# Allegro board RK3588S_Template_LP4XD556P164SD10H2_33X33_2133MHz_H1R0_V10_20220315YWQ.brd (continued)
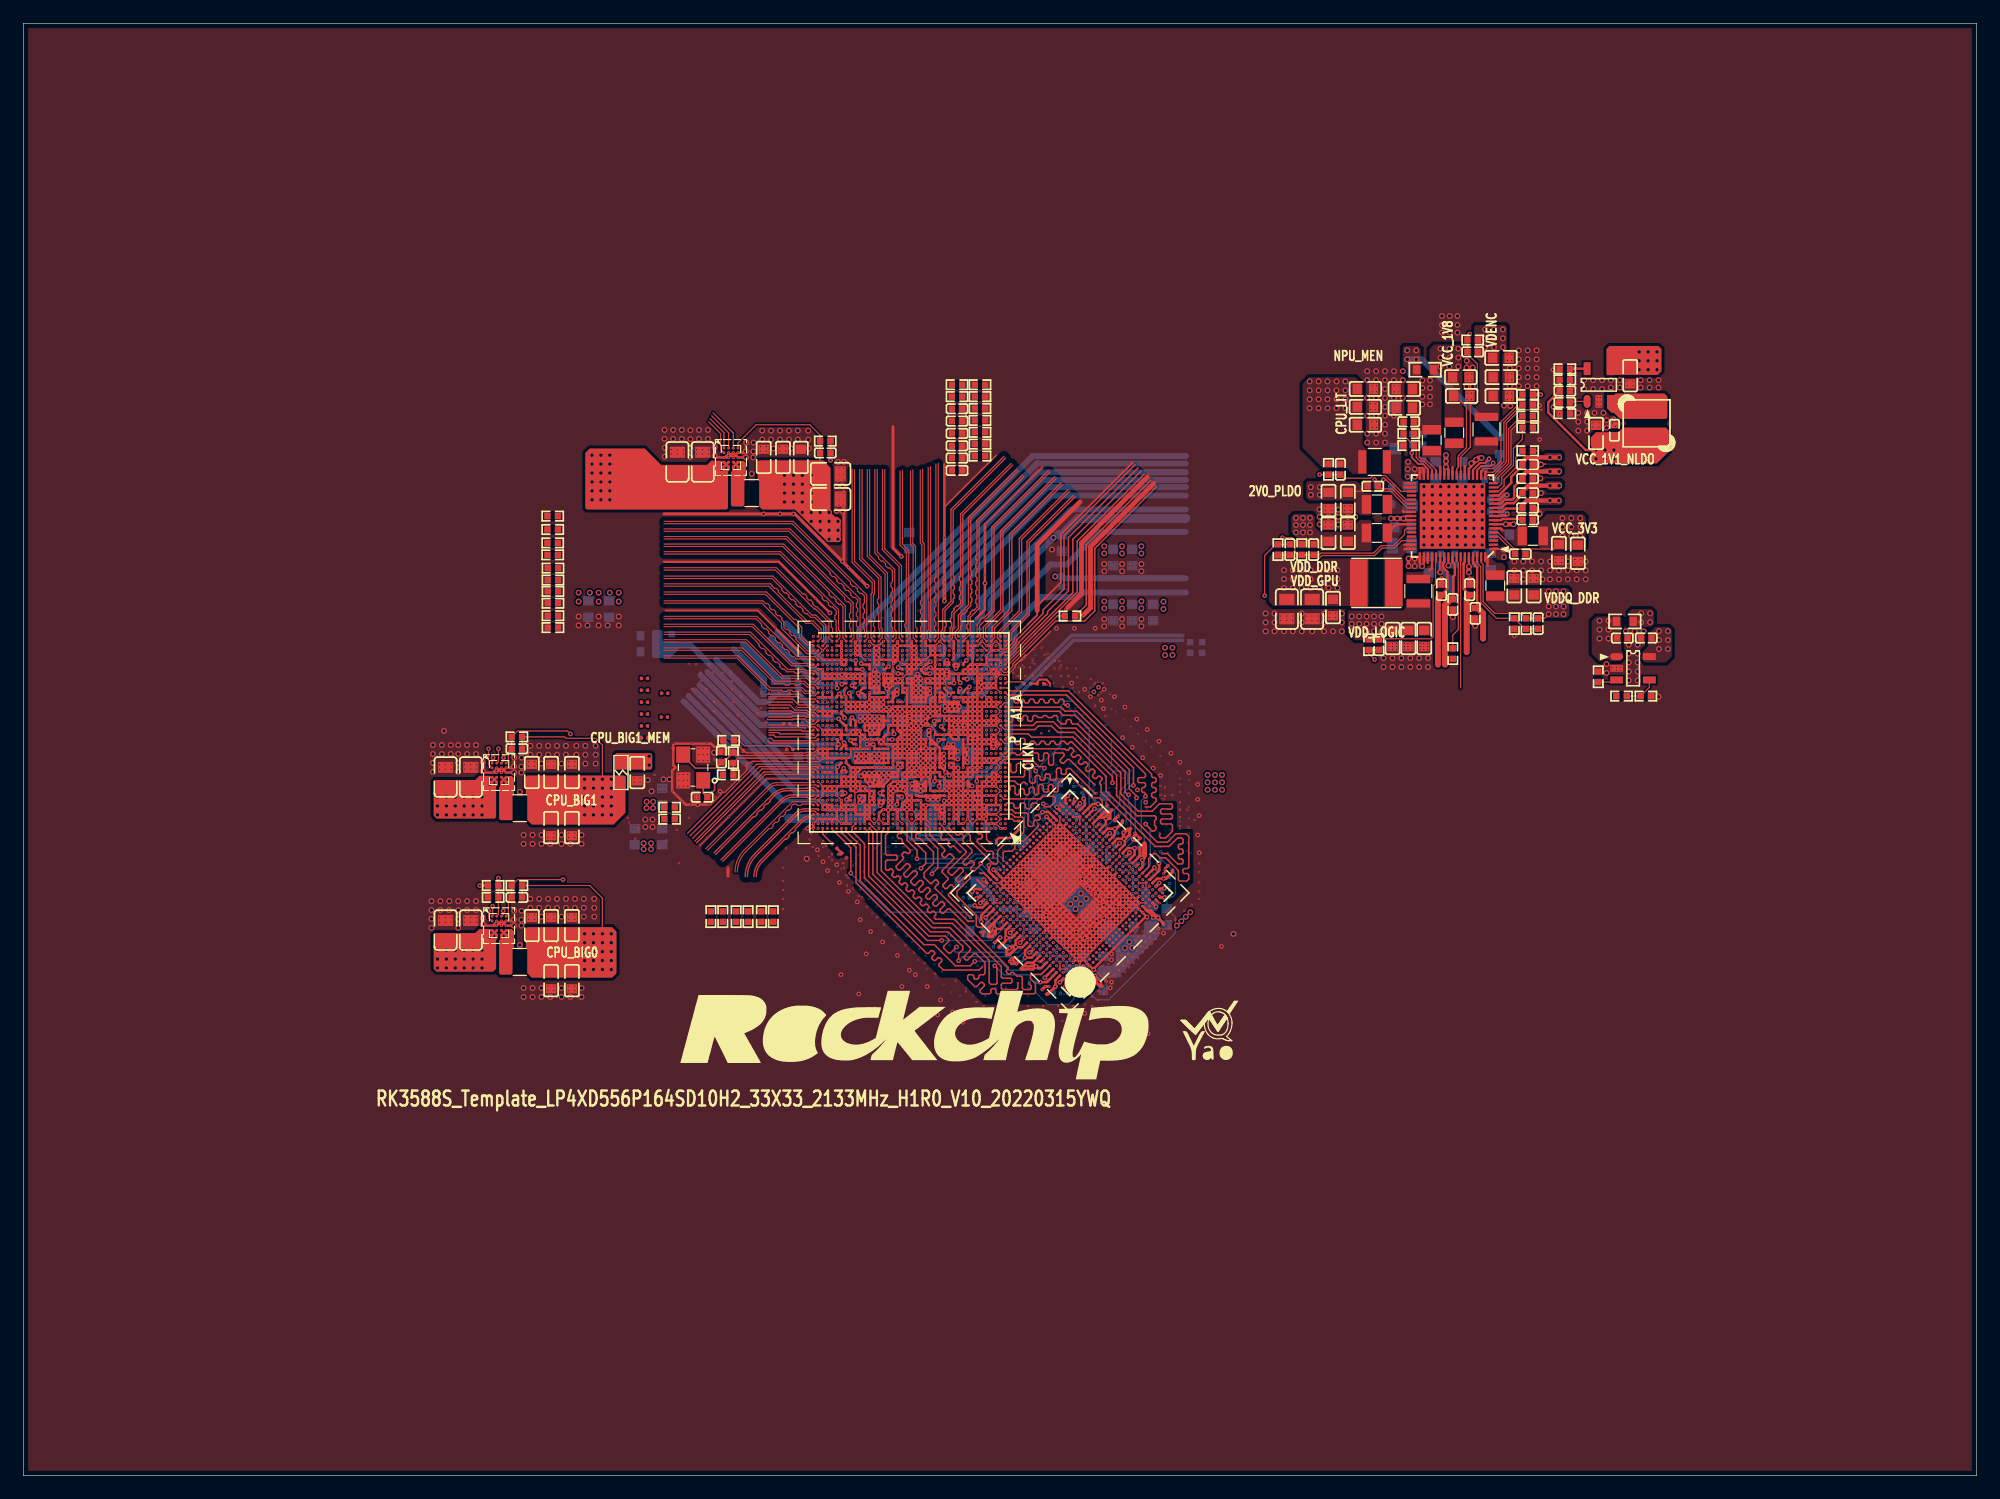
[diagram p0: board, top side]
## Routing (per net, layer and track width the routed paths; a pad name or vN(x,y) marks a point on that pad's centre or on a via; arc(x,y) is an arc through that point) (continued)
  L2-GND1 w0.305: v4(71.58,61.26) 71.58,61.27 v4(71.58,61.67) ; v4(71.58,61.26) v4(71.07,61.26) 71.17,61.37 v4(71.17,61.67) v4(71.58,61.67) ; v4(71.58,61.26) 71.98,61.26 v4(71.98,61.26) 71.99,61.26 v4(71.99,61.66) 71.59,61.66 v4(71.58,61.67) ; v4(72.69,61.67) v4(72.69,61.26) v4(73.1,61.26) 73.13,61.29 v4(73.13,61.67) v4(72.69,61.67)
  L3-S1 w0.305: v4(71.58,61.67) 71.59,61.66 v4(71.99,61.66) 71.99,61.26 v4(71.98,61.26) 71.98,61.26 v4(71.58,61.26) ; v4(71.58,61.67) v4(71.17,61.67) 71.07,61.57 v4(71.07,61.26) v4(71.58,61.26) ; v4(71.58,61.67) 71.58,61.66 v4(71.58,61.26) ; 73.13,61.29 v4(73.1,61.26) v4(72.69,61.26) v4(72.69,61.67) v4(73.13,61.67) 73.13,61.29
  L5-POWER2 w0.102: 71.07,61.23 69.63,61.23 68.83,60.43 64.1,60.43 61,57.33 58.24,57.33 57.89,57.68 57.06,57.68 54.04,54.66 48.59,54.66 46.76,56.49 46.76,63.35 v4(46.74,63.37)
  L6-S2 w0.305: v4(72.69,61.26) 71.99,61.26 71.99,61.26 ; v4(72.69,61.26) v4(72.69,61.67) ; v4(72.69,61.26) v4(73.1,61.26) 73.13,61.29 v4(73.13,61.67) v4(72.69,61.67) ; v4(71.58,61.67) 71.98,61.67 v4(71.99,61.66) ; v4(71.58,61.67) v4(71.17,61.67) 71.17,61.37 v4(71.07,61.26) v4(71.58,61.26) ; v4(71.58,61.67) 71.58,61.27 v4(71.58,61.26) ; v4(71.99,61.66) 72.69,61.66 v4(72.69,61.67) ; v4(71.99,61.66) 71.99,61.26 ; v4(71.58,61.26) 71.58,61.26 v4(71.98,61.26) 71.99,61.26
  L9-GND3 w0.305: v4(71.58,61.26) 71.58,61.27 v4(71.58,61.67) ; v4(71.58,61.26) v4(71.07,61.26) 71.17,61.37 v4(71.17,61.67) v4(71.58,61.67) ; v4(71.58,61.26) 71.98,61.26 v4(71.98,61.26) 71.99,61.26 v4(71.99,61.66) 71.98,61.67 v4(71.58,61.67) ; v4(72.69,61.26) v4(73.1,61.26) 73.1,61.64 v4(73.13,61.67) v4(72.69,61.67) v4(72.69,61.26)
  vias: v3(67.06,61.59) v3(67.06,61.34) v3(67.06,61.09) v3(67.31,61.59) v3(67.31,61.34) v3(67.31,61.09) v3(67.56,61.59) v3(67.56,61.34) v3(67.56,61.09) v3(67.82,61.34) v3(67.82,61.09) v5(47.94,59.5) v5(47.94,58.74) v5(47.94,57.98) v5(47.94,57.21) v5(47.94,56.45) v5(48.71,59.5) v5(48.71,58.74) v5(48.71,57.98) v5(48.71,57.21) v5(48.71,56.45) v5(49.47,58.74) v5(49.47,57.98) v5(49.47,57.21) v5(49.47,56.45) v5(50.23,59.5) v5(50.23,58.74) v5(50.23,57.98) v5(50.23,57.21) v5(50.23,56.45) v5(53.23,57.03) v5(53.25,57.58) v5(53.81,57.58) v5(53.79,57.03)
VDD_CPU_LIT_S0: length 141.8
  TOP w0.102: U2200.37 117.72,84.09 116.36,85.44 115.3,85.44 115.07,85.22 112.84,85.22 C2221.2 R2219.1 v4(110.74,85.53)
  TOP w0.203: v4(73.13,64.46) v4(73.13,64.86) ; v4(73.13,64.46) 73.17,64.5 U1000.AD27 ; v4(73.13,64.46) v4(72.73,64.46) ; v4(73.13,64.46) 73.09,64.42 U1000.AC28 ; v4(73.13,64.86) 73.17,64.9 U1000.AE27 U1000.AD27 ; v4(73.13,64.86) v4(72.73,64.86) ; v4(72.75,63.67) 73.2,63.67 73.49,63.97 U1000.AC27 ; v4(72.75,63.67) v4(72.34,63.67) ; v4(72.75,63.67) 72.69,63.72 U1000.AC29 ; v4(72.75,63.67) 73.09,63.32 ; v4(72.75,63.67) 72.69,63.62 U1000.AA29 ; U1000.AC28 U1000.AC29 ; U1000.AC28 73.09,63.32 ; U1000.AC28 U1000.AC27 ; U1000.AC29 72.69,64.42 v4(72.73,64.46) ; U1000.AC29 U1000.AC30 ; v4(72.73,64.46) v4(72.32,64.46) ; v4(72.73,64.46) v4(72.73,64.86) ; v4(72.73,64.86) v4(72.32,64.86) ; v4(72.32,64.86) v4(71.91,64.86) ; v4(72.32,64.86) v4(72.32,64.46) ; U1000.AC30 72.29,64.43 v4(72.32,64.46) ; U1000.AC30 72.29,63.72 v4(72.34,63.67) ; U1000.AC30 U1000.AC31 ; U1000.AA29 U1000.AA28 73.09,63.32 ; U1000.AA29 U1000.AA30 72.29,63.62 v4(72.34,63.67) ; U1000.AC31 71.89,64.44 v4(71.91,64.46) ; U1000.AC31 U1000.AB31 71.92,63.67 v4(72.34,63.67) ; v4(71.91,64.46) v4(71.51,64.46) v4(71.51,64.86) v4(71.91,64.86) ; v4(71.91,64.46) v4(71.91,64.86) ; v4(71.91,64.46) v4(72.32,64.46) ; U1000.AD27 U1000.AC27 ; U1000.AD27 U1000.AD26
  L2-GND1 w0.305: v4(72.32,64.86) v4(72.73,64.86) ; v4(72.32,64.86) v4(72.32,64.46) ; v4(72.32,64.86) v4(71.91,64.86) ; v4(72.73,64.86) v4(73.13,64.86) v4(73.13,64.46) v4(72.73,64.46) ; v4(72.73,64.86) v4(72.73,64.46) ; v4(72.32,64.46) v4(72.73,64.46) ; v4(72.32,64.46) v4(71.91,64.46) ; v4(71.91,64.86) v4(71.51,64.86) v4(71.51,64.46) v4(71.91,64.46) ; v4(71.91,64.86) v4(71.91,64.46)
  L3-S1 w0.305: v4(72.32,64.46) v4(72.73,64.46) ; v4(72.32,64.46) v4(71.91,64.46) ; v4(72.32,64.46) v4(72.32,64.86) ; v4(72.73,64.46) v4(72.73,64.86) ; v4(72.73,64.46) v4(73.13,64.46) v4(73.13,64.86) v4(72.73,64.86) ; v4(72.32,64.86) v4(72.73,64.86) ; v4(72.32,64.86) v4(71.91,64.86) ; v4(71.91,64.86) v4(71.91,64.46) ; v4(71.91,64.86) v4(71.51,64.86) v4(71.51,64.46) v4(71.91,64.46)
  L4-POWER1 w0.305: v4(72.32,64.46) v4(71.91,64.46) ; v4(72.32,64.46) v4(72.32,64.86) ; v4(72.32,64.46) v4(72.73,64.46) ; v4(71.91,64.46) v4(71.91,64.86) ; v4(71.91,64.46) v4(71.51,64.46) v4(71.51,64.86) v4(71.91,64.86) ; v4(72.32,64.86) v4(72.73,64.86) ; v4(72.32,64.86) v4(71.91,64.86) ; v4(72.73,64.86) v4(72.73,64.46) ; v4(72.73,64.86) v4(73.13,64.86) v4(73.13,64.46) v4(72.73,64.46)
  L5-POWER2 w0.102: v4(71.51,64.86) 71.41,64.86 70.31,65.96 69.29,65.96 68.25,67.01 65.42,67.01 59.69,72.74 59.69,82.04 64.34,86.69 68.28,86.69 70.36,88.77 70.36,90.93 74.68,95.25 106.3,95.25 108.58,92.96 108.58,87.69 v4(110.74,85.53)
  L8-S3 w0.305: v4(72.73,64.86) v4(72.73,64.46) ; v4(72.73,64.86) v4(73.13,64.86) v4(73.13,64.46) v4(72.73,64.46) ; v4(72.73,64.86) v4(72.32,64.86) ; v4(72.73,64.46) v4(72.32,64.46) ; v4(71.91,64.46) v4(72.32,64.46) ; v4(71.91,64.46) v4(71.91,64.86) ; v4(71.91,64.46) v4(71.51,64.46) v4(71.51,64.86) v4(71.91,64.86) ; v4(72.32,64.46) v4(72.32,64.86) ; v4(71.91,64.86) v4(72.32,64.86)
  L9-GND3 w0.305: v4(71.91,64.86) v4(71.51,64.86) v4(71.51,64.46) v4(71.91,64.46) ; v4(71.91,64.86) v4(72.32,64.86) ; v4(71.91,64.86) v4(71.91,64.46) ; v4(72.32,64.86) v4(72.32,64.46) ; v4(72.32,64.86) v4(72.73,64.86) ; v4(72.73,64.86) v4(72.73,64.46) ; v4(72.73,64.86) v4(73.13,64.86) v4(73.13,64.46) v4(72.73,64.46) ; v4(72.73,64.46) v4(72.32,64.46) ; v4(72.32,64.46) v4(71.91,64.46)
  BOTTOM w0.305: v4(72.75,63.67) v4(72.34,63.67) 72.31,63.71 72.31,63.98 ; v4(71.91,64.86) 71.71,65.07 71.71,65.1
  vias: v5(47.43,75.44) v5(47.43,74.68) v5(48.39,75.44) v5(49.15,75.44) v5(49.15,74.68) v5(50.1,75.44) v5(50.86,75.44) v5(50.86,74.68) v5(109.9,93.49) v5(109.9,92.73) v5(109.9,91.97) v5(109.9,91.2) v5(110.66,93.49) v5(110.66,92.73) v5(110.66,91.97) v5(110.66,91.2) v5(111.42,93.49) v5(111.42,92.73) v5(111.42,91.97) v5(111.42,91.2) v5(112.18,93.49) v5(112.18,92.73) v5(112.18,91.97) v5(112.18,91.2) v5(112.95,93.49) v5(112.95,92.73) v5(112.95,91.97) v5(112.95,91.2)
VDD_DDR_S0: length 131.7
  TOP w0.102: v4(107.57,80.14) 108.4,80.14 108.63,79.91 108.63,78.95 108.91,78.67 R2200.2 C9922.2 110.71,78.67 110.86,78.82 115.36,78.82 116.01,79.46 117.06,79.46 118,80.41 118,80.77 118.16,80.94 U2200.46
  TOP w0.203: v4(76.66,58.5) U1000.J20 ; v4(76.66,58.5) 76.68,58.53 v4(76.68,58.9) ; v4(76.66,58.5) U1000.J18 U1000.K18 ; U1000.J20 76.14,58.5 v4(75.93,58.72) ; U1000.J20 U1000.K20 ; 76.15,58.9 76.11,58.9 v4(75.93,58.72) ; 76.15,58.9 v4(75.93,59.12) ; 76.15,58.9 U1000.K20 ; v4(76.68,58.9) 77.09,58.9 U1000.K18 ; v4(76.68,58.9) 77.08,59.3 U1000.L18 U1000.K18 ; v4(76.68,58.9) 76.29,59.29 ; v4(76.68,58.9) 76.68,58.9 U1000.K20 ; U1000.V12 U1000.U12 ; U1000.V12 79.49,62.34 79.44,62.39 79.44,62.45 ; U1000.V12 U1000.V13 ; U1000.V12 79.63,62.1 79.8,61.93 79.83,61.93 79.86,61.9 ; U1000.U12 79.63,61.7 79.74,61.81 79.74,61.81 79.83,61.9 79.86,61.9 ; U1000.U12 U1000.T12 ; U1000.U12 U1000.U13 ; 79.86,61.9 v4(79.84,61.89) ; U1000.U13 U1000.T13 U1000.T12 ; U1000.U13 U1000.V13 ; 76.29,59.29 U1000.L20 76.1,59.3 v4(75.93,59.12) ; 76.29,59.29 U1000.K20 ; v4(75.93,58.72) v4(75.93,59.12) ; U1000.V13 U1000.V14 78.69,62.14 v4(79.03,62.48) 79.03,62.39 79.09,62.33 U1000.V13 ; U1000.V13 79.13,62.14 79.16,62.14 79.34,62.32 79.34,62.34 79.44,62.45 ; 79.44,62.45 v4(79.44,62.48) ; U1000.T12 79.58,61.21 v4(79.83,61.21)
  L2-GND1 w0.305: v4(76.66,58.5) 76.68,58.53 v4(76.68,58.9) ; v4(79.44,62.48) v4(79.03,62.48) ; v4(75.93,59.12) v4(75.93,58.72)
  L3-S1 w0.305: v2(75.95,58.29) 75.93,58.31 v4(75.93,58.72) v4(75.93,59.12) ; v2(76.66,58.08) v4(76.66,58.5) 76.68,58.53 v4(76.68,58.9) ; v4(79.44,62.48) v4(79.03,62.48) ; v4(79.84,61.89) 79.84,61.23 v4(79.83,61.21)
  L4-POWER1 w0.102: v2(81.53,36.45) 81.53,39.75 82.32,40.54 93.12,40.54 107.29,54.72 107.29,79.86 v4(107.57,80.14)
  L6-S2 w0.102: 78.49,59.18 80.14,59.18 81.05,58.27 81.05,57.19 80.9,57.04 80.9,56.34 81.11,56.14 81.72,56.14 82.68,55.18 82.68,53.09 82.14,52.54 82.14,52.2 81.88,51.94 81.49,51.94 81.04,51.49 81.04,50.56 79.25,48.77 79.25,46.74 80.87,45.11 80.87,43.89 85.19,39.57 85.19,36.93 84.71,36.45 v2(81.53,36.45)
  L8-S3 w0.305: v4(79.84,61.89) 79.83,61.87 v4(79.83,61.21) ; v2(75.95,58.29) 75.93,58.31 v4(75.93,58.72) v4(75.93,59.12) ; v4(79.44,62.48) v4(79.03,62.48) ; v2(76.66,58.08) v4(76.66,58.5) 76.68,58.53 v4(76.68,58.9)
  L9-GND3 w0.305: v4(76.66,58.5) 76.68,58.53 v4(76.68,58.9) ; v4(75.93,58.72) v4(75.93,59.12) ; v4(79.84,61.89) 79.84,61.23 v4(79.83,61.21) ; v4(79.44,62.48) v4(79.03,62.48)
  BOTTOM w0.254: 76.66,58.9 v4(76.68,58.9) 76.66,58.88 v4(76.66,58.5) 76.6,58.44 76.17,58.44 76.17,58.47 v4(75.93,58.72) ; v4(75.93,58.72) v4(75.93,59.12) ; v4(75.93,58.72) 75.82,58.72
  BOTTOM w0.305: v4(76.68,58.9) 77.06,59.28 77.06,59.34
  vias: v2(82.52,38.48) v2(82.52,37.97) v2(82.52,37.47) v2(82.52,36.96) v2(83.03,38.48) v2(83.03,37.97) v2(83.03,37.47) v2(83.03,36.96) v2(83.54,38.48) v2(83.54,37.97) v2(83.54,37.47) v2(83.54,36.96) v2(84.05,38.48) v2(84.05,37.97) v2(84.05,37.47) v2(84.05,36.96) v5(108.73,81.83) v5(108.73,81.22) v5(108.73,80.59) v5(109.33,81.83) v5(109.33,81.22) v5(109.33,80.59) v5(109.93,81.83) v5(109.93,81.22) v5(109.93,80.59)
VDD_GPU_S0: length 102.4
  TOP w0.102: R2208.1 C2209.2 108.4,78.67 108.83,78.24 110.57,78.24 110.94,78.61 115.44,78.61 116.09,79.26 117.14,79.26 117.77,79.89 U2200.49 ; v4(106.04,75.18) 106.04,78.61 107,79.57 R2208.2 C2209.1
  TOP w0.203: v4(76.25,66.88) 76.25,66.54 U1000.AJ20 ; v4(76.25,66.88) 76.25,66.88 75.91,66.88 v1(75.89,66.9) ; v4(76.25,66.88) 76.25,66.88 ; U1000.AJ19 U1000.AJ18 ; U1000.AJ19 76.69,66.85 v4(76.66,66.88) ; U1000.AJ19 U1000.AH19 ; U1000.AJ19 U1000.AJ20 ; U1000.AJ18 77.1,66.5 v4(77.45,66.85) ; U1000.AJ18 U1000.AH18 U1000.AH19 ; U1000.AJ18 U1000.AK18 ; v4(76.66,68.12) 76.66,68.22 v4(76.4,68.48) 76.23,68.31 v4(76.23,68.1) ; v4(76.66,68.12) 76.65,68.1 76.65,67.72 v4(76.66,67.71) ; v4(76.66,68.12) 76.25,68.12 76.23,68.1 v4(76.23,68.1) ; v4(76.25,67.29) 76.27,67.3 v4(76.66,67.3) ; v4(76.25,67.29) 76.25,66.88 ; v4(76.25,67.29) 76.24,67.3 ; U1000.AM21 U1000.AM22 U1000.AN22 U1000.AN21 ; U1000.AM21 U1000.AN21 ; U1000.AM21 76.22,67.7 v4(76.25,67.7) ; U1000.AM21 v1(75.89,67.3) ; v4(76.66,66.88) v4(76.66,67.3) ; v4(76.66,66.88) 76.68,66.9 U1000.AK18 ; v4(76.66,66.88) 76.25,66.88 76.25,66.88 ; v4(76.66,67.3) U1000.AL18 ; v4(76.66,67.3) 76.66,67.31 76.64,67.33 76.64,67.68 v4(76.66,67.71) ; v4(77.45,66.85) 77.4,66.9 U1000.AK18 ; v4(77.45,66.85) v4(77.45,67.26) 77.41,67.3 U1000.AL18 ; U1000.AH19 v7(75.89,66.1) v7(75.89,66.5) ; v4(76.66,67.71) 76.26,67.71 v4(76.25,67.7) ; v4(76.23,68.1) 76.23,68.1 76.23,67.74 76.25,67.72 v4(76.25,67.7) ; v4(76.23,68.1) U1000.AN21 ; U1000.AL18 U1000.AK18 ; v4(76.25,67.7) 76.23,67.68 76.23,67.31 76.24,67.3 ; U1000.AJ20 U1000.AH20 ; U1000.AJ20 v7(75.89,66.5) ; v7(75.89,66.5) v1(75.89,66.9) ; v1(75.89,66.9) v1(75.89,67.3) ; v1(75.89,67.3) 76.24,67.3
  L2-GND1 w0.305: v4(76.66,67.71) v4(76.66,68.12) 76.4,68.37 v4(76.4,68.48) 76.23,68.31 v4(76.23,68.1) 76.23,67.31 76.24,67.3 ; v4(76.66,67.71) 76.26,67.71 v4(76.25,67.7) ; v4(76.66,67.71) v4(76.66,67.3) ; v4(76.25,66.88) 75.91,66.88 v1(75.89,66.9) ; v4(76.25,66.88) 76.66,66.88 v4(76.66,66.88) v4(76.66,67.3) ; v4(76.25,66.88) 76.25,66.88 v4(76.25,67.29) ; 76.24,67.3 v4(76.25,67.29) ; 76.24,67.3 v1(75.89,67.3) v1(75.89,66.9) ; v4(76.66,67.3) 76.27,67.3 v4(76.25,67.29) ; v1(75.89,66.9) v7(75.89,66.5) v7(75.89,66.1) ; v4(77.45,66.85) v4(77.45,67.26)
  L3-S1 w0.102: 75.59,67 75.69,66.9 v1(75.89,66.9) ; 75.64,67.11 75.83,67.3 v1(75.89,67.3)
  L3-S1 w0.203: v4(76.25,67.7) 76.25,67.66 v1(75.89,67.3) 75.91,67.29 v4(76.25,67.29) ; v4(76.25,67.7) 76.25,68.08 76.23,68.1 v4(76.23,68.1) ; v4(76.25,67.7) 76.25,67.7 v4(76.25,67.29) ; v4(76.25,67.7) 76.65,67.7 v4(76.66,67.71) ; v4(76.25,66.88) 76.25,66.88 v4(76.25,67.29) ; v4(76.25,66.88) 76.66,66.88 v4(76.66,66.88) v4(76.66,67.3) ; v4(76.25,66.88) 76.23,66.9 v1(75.89,66.9) ; v4(76.25,67.29) 76.65,67.29 v4(76.66,67.3) ; v4(76.66,68.12) 76.66,68.22 v4(76.4,68.48) 76.23,68.31 v4(76.23,68.1) ; v4(76.66,68.12) 76.65,68.1 76.23,68.1 v4(76.23,68.1) ; v4(76.66,68.12) v4(76.66,67.71) ; v4(76.66,67.71) v4(76.66,67.3)
  L3-S1 w0.254: v2(75.59,66.7) v2(75.59,67.11) 75.7,67.11 v1(75.89,67.3) v1(75.89,66.9)
  L3-S1 w0.305: v4(77.45,66.85) v4(77.45,67.26)
  L6-S2 w0.102: v4(76.25,67.7) 76.23,67.72 v4(76.23,68.1) ; 78.1,69.47 78.1,69.98 79.25,71.13 79.25,72.52 79.83,73.1 79.83,74.53 81,75.69 81,76.39 81.84,77.23 88.63,77.23 89.41,76.45 104.77,76.45 v4(106.04,75.18)
  L6-S2 w0.203: v4(76.66,66.88) v4(76.66,67.3) v4(76.66,67.71) v4(76.66,68.12) 76.66,68.22 v4(76.4,68.48) 76.23,68.31 v4(76.23,68.1) ; v2(75.59,67.11) 75.77,67.29 v4(76.25,67.29) 76.25,67.28 v4(76.25,66.88) 76.07,66.7 v2(75.59,66.7)
  L6-S2 w0.254: v2(75.59,66.7) v2(75.59,67.11)
  L8-S3 w0.203: v2(75.01,79.44) v2(75.01,79.04)
  L8-S3 w0.305: 76.25,67.28 v4(76.25,66.88) ; 76.25,67.28 v4(76.25,67.29) ; 76.25,67.28 76.05,67.08 75.62,67.08 v2(75.59,67.11) v2(75.59,66.7) 76.07,66.7 v4(76.25,66.88) ; v4(76.25,66.88) 76.25,66.88 v4(76.66,66.88) v4(76.66,67.3) ; v4(76.25,67.7) 76.25,67.7 v4(76.25,67.29) ; v4(76.25,67.7) 76.26,67.71 v4(76.66,67.71) ; v4(76.25,67.7) 76.25,68.08 v4(76.23,68.1) 76.4,68.27 76.4,68.37 ; 76.4,68.37 v4(76.66,68.12) v4(76.66,67.71) ; 76.4,68.37 v4(76.4,68.48) ; v4(76.66,67.71) v4(76.66,67.3) ; v4(76.25,67.29) 76.27,67.3 v4(76.66,67.3)
  L9-GND3 w0.305: v4(76.66,67.3) v4(76.66,67.71) ; v4(76.66,67.3) v4(76.66,66.88) 76.25,66.88 v4(76.25,66.88) 76.25,68.08 v4(76.23,68.1) ; v4(76.66,67.3) 76.27,67.3 v4(76.25,67.29) ; v4(76.66,67.71) v4(76.66,68.12) ; v4(76.66,67.71) 76.26,67.71 v4(76.25,67.7) ; v4(76.66,68.12) 76.25,68.12 v4(76.23,68.1) ; v4(76.66,68.12) 76.66,68.22 v4(76.4,68.48) 76.23,68.31 v4(76.23,68.1)
  vias: v3(75.44,79.44) v3(75.44,79.24) v3(75.44,78.99) v3(75.69,79.44) v3(75.69,79.24) v3(75.69,78.99) v5(92.34,79.4) v5(92.34,78.79) v5(93.87,79.4) v5(93.87,78.79) v5(95.52,79.4) v5(95.52,78.79) v5(107.7,77.36) v5(107.7,76.6) v5(107.7,75.84) v5(108.46,77.36) v5(108.46,76.6) v5(108.46,75.84) v5(109.22,77.36) v5(109.22,76.6) v5(109.22,75.84) v5(109.98,77.36) v5(109.98,76.6) v5(109.98,75.84) v5(110.74,77.36) v5(110.74,76.6) v5(110.74,75.84) v5(111.51,77.36) v5(111.51,76.6) v5(111.51,75.84) v5(112.27,77.36) v5(112.27,76.6) v5(112.27,75.84)
VDD_LOGIC_S0: length 115.6
  TOP w0.102: v4(115.44,69.72) 114.94,70.23 R2238.1 C2230.2 116.33,71.05 116.33,71.4 116.43,71.5 120.27,71.5 120.45,71.68 120.45,76 120.65,76.2 120.65,77.98 120.7,78.03 U2200.56 ; C2230.1 R2238.2 114.76,71.62 v5(114.76,72.14)
  TOP w0.203: U1000.W33 70.92,62.5 70.69,62.73 70.69,62.74 70.67,62.77 v4(70.67,62.82) 70.74,62.88 70.74,62.88 70.76,62.9 U1000.Y33 ; U1000.J27 73.37,58.5 v4(73.18,58.31) 73.39,58.1 U1000.H27 ; v4(79.17,65.74) 79.09,65.66 U1000.AF13 ; v4(79.17,65.74) 79.17,65.76 ; v4(79.17,65.74) 79.19,65.75 v4(79.58,65.75) ; v4(79.17,65.74) v4(78.74,65.74) ; U1000.AF12 79.49,65.66 v4(79.58,65.75) ; U1000.AF12 79.89,65.3 79.89,65.55 79.98,65.64 v4(79.98,65.71) ; U1000.AF12 U1000.AF13 ; v4(79.58,65.75) 79.89,66.06 ; v4(79.58,65.75) 79.94,65.75 v4(79.98,65.71) ; v4(79.58,65.75) 79.49,65.84 79.49,66.09 ; 79.89,66.06 U1000.AH11 ; 79.89,66.06 79.89,65.85 79.98,65.76 v4(79.98,65.71) ; U1000.AH11 U1000.AH12 ; U1000.AH11 U1000.AH12 ; U1000.AH12 79.49,66.09 ; U1000.AH12 U1000.AH13 ; U1000.AH12 U1000.AH13 ; U1000.AH14 U1000.AH13 ; U1000.AH14 U1000.AH13 ; U1000.AH14 78.69,66.5 ; U1000.AH14 78.69,65.81 78.74,65.76 v4(78.74,65.74) ; U1000.AH14 U1000.AH15 U1000.AJ15 ; U1000.AH13 79.09,65.84 79.17,65.76 ; 79.49,66.09 79.17,65.77 79.17,65.76 ; v4(71.32,66.85) 71.32,66.67 v1(71.49,66.5) ; v4(71.32,66.85) 71.77,67.3 U1000.AL31 ; v4(71.32,66.85) 71.69,66.85 71.89,66.65 v1(71.89,66.5) ; U1000.AF13 78.77,65.3 v4(78.74,65.33) v4(78.74,65.74) ; U1000.AJ15 U1000.AK15 78.49,66.9 78.69,66.7 78.69,66.5 ; U1000.AJ15 78.69,66.5 ; v1(74.69,66.1) v1(75.09,66.1)
  L2-GND1 w0.254: v4(79.17,65.74) 78.77,65.33 v4(78.74,65.33)
  L2-GND1 w0.305: v4(79.98,65.71) 79.94,65.75 v4(79.58,65.75) 79.57,65.74 v4(79.17,65.74) v4(78.74,65.74) v4(78.74,65.33)
  L3-S1 w0.203: v1(71.89,66.5) 71.89,66.82 v2(71.76,66.95) ; v1(71.49,66.5) 71.62,66.63 71.62,66.81 71.67,66.85 ; v4(79.17,65.74) 78.77,65.33 v4(78.74,65.33) ; v1(74.69,66.1) 74.69,66.11 v2(74.98,66.4) 75.09,66.28 v1(75.09,66.1) v1(74.69,66.1)
  L3-S1 w0.254: v4(71.32,66.85) 71.67,66.85 v2(71.76,66.95)
  L3-S1 w0.305: v4(78.74,65.33) v4(78.74,65.74) v4(79.17,65.74) 79.57,65.74 v4(79.58,65.75) 79.94,65.75 v4(79.98,65.71)
  L5-POWER2 w0.102: v4(115.44,69.72) 113.66,67.94 102.11,67.94 98.3,71.75 86.99,71.75 84.45,69.22 84.45,66.04 82.81,64.39 82.55,64.39 82.37,64.57 79.2,64.57 78.8,64.96 78.8,65.36 v4(79.17,65.74)
  L6-S2 w0.254: v4(79.17,65.74) 79.15,65.76 78.77,65.76 v4(78.74,65.74)
  L8-S3 w0.102: 82.55,68.82 81.79,69.58 81.79,70.48
  L8-S3 w0.203: v2(71.76,66.95) 71.76,66.81 v6(71.63,66.67) 71.45,66.85 v4(71.32,66.85) ; v3(74.83,66.12) 74.98,66.27 v2(74.98,66.4) 74.96,66.4 74.88,66.32 74.73,66.32 v3(74.65,66.24)
  L9-GND3 w0.254: v4(73.18,58.31) 72.9,58.6 72.16,58.6 71.78,58.98 70.94,58.98 70.69,59.23 ; v4(71.32,66.85) 71.45,66.85 v6(71.63,66.67) 71.35,66.4 71.32,66.4
  L9-GND3 w0.305: 70.03,61.41 69.85,61.59 ; 69.85,61.59 70.21,61.59 ; 69.85,61.59 68.71,61.59 ; 69.96,61.34 69.96,61.32 69.72,61.09 ; v3(74.65,66.24) 74.7,66.24 v3(74.83,66.12) ; v4(79.98,65.71) 79.94,65.75 v4(79.58,65.75) 79.57,65.74 v4(79.17,65.74) ; v4(79.17,65.74) v4(78.74,65.74) v4(78.74,65.33) 78.77,65.33 v4(79.17,65.74) ; 68.58,60.33 68.58,61.34 68.97,61.34 68.97,59.94
  L9-GND3 w0.381: 68.45,61.86 68.97,61.34 69.96,61.34 70.34,61.72 70.34,62.12 70.67,62.45 v4(70.67,62.82) ; v4(71.32,66.85) 71.32,66.4 70.33,65.41 70,65.41
  L9-GND3 w0.635: 70.69,59.23 70.23,59.69 69.21,59.69 69.09,59.82 ; 67.9,62.41 68.45,61.86
  L9-GND3 w0.762: 67.9,62.41 67.9,64.19 69.11,65.41 70,65.41 ; 68.97,59.94 69.09,59.82
  BOTTOM w0.203: v4(79.17,65.74) 78.77,65.33 v4(78.74,65.33) ; v4(73.18,58.31) 73.15,58.28 73.15,57.91 C1021.1
  BOTTOM w0.254: 78.76,65.76 78.78,65.78
  BOTTOM w0.279: v4(70.67,62.82) 70.44,63.05 C1023.1
  BOTTOM w0.305: C1017.1 71.63,66.58 71.36,66.85 v4(71.32,66.85) ; v4(78.74,65.33) v4(78.74,65.74) ; 79.55,65.72 v4(79.58,65.75)
  BOTTOM w0.381: v4(79.98,65.71) 79.91,65.78 78.78,65.78
  vias: v5(92.34,74.71) v5(92.34,74.1) v5(93.87,74.71) v5(93.87,74.1) v5(95.52,74.71) v5(95.52,74.1) v5(113.49,73.41) v5(113.49,72.77) v5(113.49,72.14) v5(114.13,73.41) v5(114.13,72.77) v5(114.13,72.14) v5(114.76,73.41) v5(114.76,72.77) v5(115.4,73.41) v5(115.4,72.77) v5(115.4,72.14) v5(116.03,73.41) v5(116.03,72.77) v5(116.03,72.14)
VDD_NPU_S0: length 75
  TOP w0.102: 68.06,85.67 C2319.2 R2304.2 68.06,88.91 67.18,89.79 62.61,89.79 61.05,88.23 U2302.A4 ; R2304.1 C2319.1 v4(68.96,86.74)
  TOP w0.203: v4(73.05,68.06) 73.06,68.07 v4(73.06,68.47) ; v4(73.05,68.06) 73.06,68.06 v4(73.06,67.66) ; v4(73.05,68.06) v4(72.65,68.06) ; U1000.AM30 U1000.AL30 U1000.AL29 ; U1000.AM30 U1000.AN30 ; U1000.AM30 72.61,67.7 v4(72.65,67.66) ; v4(72.65,67.66) 72.69,67.62 U1000.AL29 ; v4(72.65,67.66) v4(73.06,67.66) ; v4(72.65,67.66) v4(72.65,68.06) ; U1000.AL29 U1000.AK29 U1000.AK28 ; U1000.AL29 U1000.AL28 ; v4(73.06,68.47) 73.06,68.55 v4(72.75,68.86) 72.65,68.76 v4(72.65,68.47) ; v4(73.06,68.47) v4(72.65,68.47) ; U1000.AN30 U1000.AP30 72.62,68.5 v4(72.65,68.47) ; U1000.AN30 72.61,68.1 v4(72.65,68.06) ; v4(73.06,67.66) 73.09,67.62 U1000.AL28 ; v4(74.63,66.75) 74.48,66.9 U1000.AK25 ; v4(74.63,66.75) 74.37,66.5 U1000.AJ25 ; v4(74.63,66.75) 74.66,66.78 v4(74.66,67.15) 74.54,67.15 U1000.AK25 ; U1000.AK28 U1000.AK27 ; U1000.AK28 U1000.AL28 ; U1000.AK25 U1000.AJ25 ; U1000.AJ25 U1000.AH25 U1000.AH26 ; v4(72.65,68.06) v4(72.65,68.47)
  L2-GND1 w0.305: v4(72.65,68.06) v4(72.65,68.47) 72.75,68.57 72.75,68.78 ; v4(72.65,68.06) v4(73.05,68.06) ; v4(72.65,68.06) v4(72.65,67.66) v4(73.06,67.66) 73.05,67.66 v4(73.05,68.06) ; 72.75,68.78 v4(73.06,68.47) 73.06,68.07 v4(73.05,68.06) ; 72.75,68.78 v4(72.75,68.86)
  L3-S1 w0.305: v4(72.65,68.06) v4(72.65,68.47) 72.65,68.76 v4(72.75,68.86) 72.75,68.78 v4(73.06,68.47) 73.06,68.07 v4(73.05,68.06) ; v4(72.65,68.06) v4(72.65,67.66) v4(73.06,67.66) 73.05,67.66 v4(73.05,68.06) ; v4(72.65,68.06) v4(73.05,68.06)
  L5-POWER2 w0.102: v4(68.96,86.74) 68.71,86.49 64.52,86.49 59.92,81.89 59.92,72.79 65.5,67.21 68.99,67.21 69.09,67.31 69.09,67.56
  L8-S3 w0.254: 75.73,68.53 75.73,68.36 74.63,67.26 v4(74.63,66.75)
  L8-S3 w0.305: v4(73.06,68.47) 72.75,68.78 v4(72.75,68.86) 72.65,68.76 v4(72.65,68.47) ; v4(73.06,68.47) v4(72.65,68.47) ; v4(73.06,68.47) 73.05,68.47 v4(73.05,68.06) ; v4(72.65,68.47) v4(72.65,68.06) ; v4(72.65,68.06) v4(73.05,68.06) ; v4(72.65,68.06) v4(72.65,67.66) v4(73.06,67.66) 73.06,68.06 v4(73.05,68.06)
  L8-S3 w0.406: 75.69,69.02 75.95,68.76 75.73,68.53
  L9-GND3 w0.305: v4(72.65,68.06) v4(73.05,68.06) ; v4(72.65,68.06) v4(72.65,68.47) ; v4(72.65,68.06) v4(72.65,67.66) v4(73.06,67.66) 73.05,67.66 v4(73.05,68.06) ; v4(73.05,68.06) 73.06,68.07 v4(73.06,68.47) ; v4(72.65,68.47) 72.65,68.76 v4(72.75,68.86) 73.06,68.55 v4(73.06,68.47) ; v4(72.65,68.47) v4(73.06,68.47) ; v4(74.66,67.15) 74.66,66.78 v4(74.63,66.75)
  vias: v5(65.02,85.47) v5(65.02,84.71) v5(65.02,83.95) v5(65.02,83.19) v5(65.79,85.47) v5(65.79,84.71) v5(65.79,83.95) v5(65.79,83.19) v5(66.55,85.47) v5(66.55,84.71) v5(66.55,83.95) v5(66.55,83.19) v5(66.55,82.3) v5(67.31,85.47) v5(67.31,84.71) v5(67.31,83.95) v5(67.31,83.19) v5(67.31,82.3) v5(67.31,81.53) v5(68.07,82.3) v5(68.07,81.53) v5(68.07,80.77) v5(68.83,82.3) v5(68.83,81.53) v5(68.83,80.77) v5(68.83,80.01) v5(69.6,81.53) v5(69.6,80.77) v5(69.6,80.01)
VDD_VDENC_S0: length 113
  TOP w0.102: U2200.24 122.8,87.05 123.62,87.87 123.62,91.46 123.73,91.56 124.08,91.56 124.23,91.72 124.23,94.97 123.37,95.83 C2291.2 R2209.2 123.37,97.34 v4(123.57,97.54)
  TOP w0.203: 78.64,60.9 U1000.R15 ; 78.64,60.9 78.65,60.91 v4(78.65,61.26) ; 78.64,60.9 78.66,60.88 v4(78.66,60.85) 78.72,60.79 78.72,60.22 ; U1000.R15 U1000.P15 78.44,60.5 78.72,60.22 ; U1000.R15 U1000.T15 ; v4(78.79,60.1) 78.82,60.1 78.82,60.1 ; U1000.W16 U1000.W17 U1000.Y17 ; U1000.W16 77.89,62.57 77.56,62.9 U1000.Y17 ; U1000.W16 77.96,62.5 78.29,62.17 U1000.U15 ; U1000.T15 78.61,61.3 v4(78.65,61.26) ; U1000.T15 U1000.U15 ; v4(78.65,61.26) 78.65,61.3 78.64,61.31 v4(78.64,61.67) 78.61,61.7 U1000.U15 ; U1000.AD15 77.86,64.5 v4(77.83,64.47) 77.83,64.17 U1000.AC16 ; U1000.Y17 77.49,63.15 v4(77.37,63.27) ; 78.82,60.1 78.72,60.2 78.72,60.22 ; 78.82,60.1 78.9,60.1 79.1,59.9 v4(79.1,59.82)
  TOP w0.406: v4(77.37,63.68) v4(77.37,63.27)
  L2-GND1 w0.305: v4(79.1,59.82) 78.82,60.1 v4(78.79,60.1) ; v4(77.37,63.68) v4(77.37,63.27) ; v4(78.64,61.67) 78.64,60.88 v4(78.66,60.85)
  L3-S1 w0.305: v4(78.64,61.67) 78.65,61.66 v4(78.65,61.26) 78.66,61.25 v4(78.66,60.85) ; v4(79.1,59.82) 79.07,59.82 v4(78.79,60.1) ; v4(77.37,63.68) v4(77.37,63.27)
  L5-POWER2 w0.457: v4(77.37,63.27) 77.55,63.45 ; 77.55,63.45 77.37,63.63 v4(77.37,63.68) ; 77.55,63.45 78.56,63.45 78.61,63.5 80.66,63.5 80.76,63.6 83.47,63.6 84.3,64.43
  L6-S2 w0.102: 79.76,69.47 79.76,70.35 80.59,71.19 80.59,74.2 82.6,76.2 104.53,76.2 106.41,74.32 111.92,74.32 114.81,77.22 114.81,86.17 117.92,89.28 120.62,89.28 124.23,92.89 124.23,96.88 v4(123.57,97.54)
  L6-S2 w0.203: 78.16,64.41 78.14,64.43 77.93,64.43 77.89,64.47 77.88,64.47
  L6-S2 w0.254: 77.8,63.3 77.8,63.45 ; 77.8,63.3 78.13,63.3 ; 77.8,63.3 77.8,63.09 77.7,62.99 77.7,62.61 77.96,62.34 78.25,62.34 78.36,62.23 ; 77.8,63.45 77.8,63.96 ; 77.8,63.45 77.85,63.5 ; 78.16,64.54 78.16,64.41 77.88,64.14 77.62,64.14 77.62,64.21 77.83,64.41 v4(77.83,64.47) 77.88,64.47 78.16,64.74 ; 77.85,63.5 78.16,63.5 ; 77.85,63.5 77.95,63.6 78.16,63.6
  L6-S2 w0.305: 77.62,64.14 78.16,63.6 78.16,63.5
  L8-S3 w0.305: v4(78.64,61.67) 78.64,61.27 v4(78.65,61.26) 78.65,60.87 v4(78.66,60.85) ; v4(78.79,60.1) 79.07,59.82 v4(79.1,59.82)
  L9-GND3 w0.305: v4(78.64,61.67) 78.64,60.88 v4(78.66,60.85) ; v4(79.1,59.82) 79.07,59.82 v4(78.79,60.1)
  BOTTOM w0.305: 78.64,61.26 78.64,61.26 v4(78.65,61.26) 78.65,61.26 ; 78.64,61.26 78.6,61.3 78.58,61.3 78.53,61.35 ; 78.64,61.26 78.65,61.26 ; 79.11,59.94 79.11,59.88 79.1,59.87 v4(79.1,59.82) 79.13,59.82 79.28,59.97 79.38,59.97 ; 79.11,59.94 79.08,59.94 ; 79.11,59.94 79.1,59.94 79.02,59.94 78.86,60.1 78.82,60.1 78.82,60.09 78.84,60.09 78.8,60.09 v4(78.79,60.1) ; 78.65,61.26 78.69,61.26 ; 78.25,61.42 78.29,61.42 78.29,61.45 78.49,61.65 78.62,61.65 v4(78.64,61.67) ; v4(78.66,60.85) 78.66,60.85 78.62,60.85 78.4,60.63 ; C1080.1 78.05,64.47 v4(77.83,64.47) 77.8,64.44 C1063.1
  vias: v5(97.41,74.68) v5(97.41,74.04) v5(97.54,70.74) v5(97.54,70.1) v5(98.17,70.74) v5(98.17,70.1) v5(124.88,97.93) v5(124.88,97.17) v5(124.88,96.41) v5(125.65,97.93) v5(125.65,97.17) v5(125.65,96.41) v5(126.41,97.93) v5(126.41,97.17) v5(126.41,96.41)
